# Altium PCB Copy of ArduinoUnoShield.PcbDoc (part 2 of 2)
Units mil, origin at the board's own origin, x right, y up, seen from the top; angles counter-clockwise.
Board outline 4000 x 2250 mil, 2 copper layers (Top Layer, Bottom Layer); 123 components, 114 nets, 416 pads, 90 vias.
Unrouted connection lines stored in the file: 264.
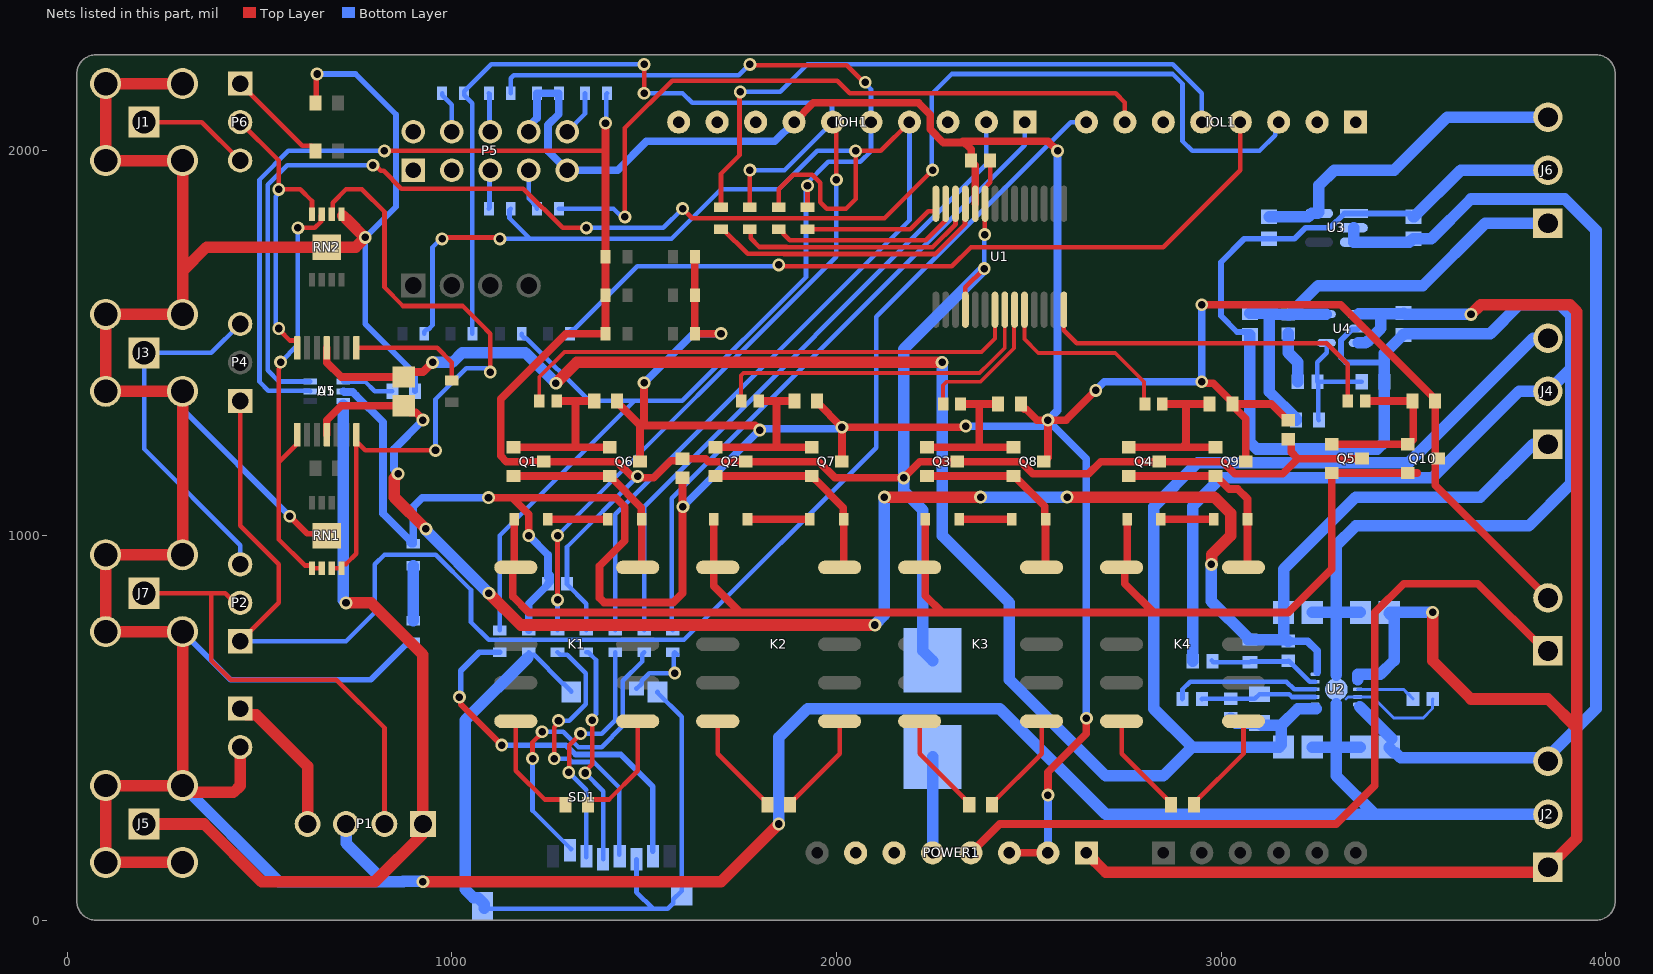
[diagram p2: the nets of this part, all layers, seen from the top]

## Via types
v1: diameter 33.46, hole 19.68, Top Layer to Bottom Layer, 90 vias

## Nets (pads, with @x,y where several pads share a name; then routed paths per layer and width w, separated by ;. In a path a pad name is that pad's centre, name@x,y a point inside that pad or via, vN(x,y) a via of type N, cw(c..) or ccw(c..) an arc to the next point about the centre after c; other vN are vias at no path point) (continued)
AGND: C4.1 C6.1 C7.1 C9.1 C10.1 C11.1 C12.1 C13.1 C15.1 J1.2 J1.3 J1.4 J1.5 J2.2 J3.2 J3.3 J3.4 J3.5 J4.2 J5.2 J5.3 J5.4 J5.5 J6.2 J7.2 J7.3 J7.4 J7.5 P1.3 P7.2 R44.1 R46.2 R50.1 R52.1 R55.1 RN1.9 RN2.5 RN2.9 U2.4 U2.11 U3.1 U4.2 | length 17787.3
  Top Layer w15: v1(578.64,1050) 624.28,1004.36 670.64,1004.36 RN1.9@675,1000 ; R55.1@645.47,2125 647.74,2127.26 647.74,2197.74 v1(650,2200) ; RN2.5@713.39,1826.22 RN2.5@713.39,1835.45
  Top Layer w30: J5.4@300,150 J5.3@100,150 J5.2@100,350 J5.5@300,350 ; J1.5@300,2175 J1.2@100,2175 J1.3@100,1975 J1.4@300,1975 300,1687.5 ; P7.2@450,439.47 450,349.72 432.43,332.15 331.58,332.15 313.72,350 J5.5@300,350 ; RN2.5@716.97,1831.87 730.75,1818.09 730.97,1818.09 774.06,1775 v1(775,1775) 750,1750 RN2.9@675,1750 362.5,1750 300,1687.5 ; v1(925,100) 1700,100 v1(1850,250) ; J5.5@300,350 J7.4@300,750 J7.3@100,750 J7.2@100,950 J7.5@300,950 J3.4@300,1375 J3.3@100,1375 J3.2@100,1575 J3.5@300,1575 300,1687.5
  Bottom Layer w7.87: 3325,575 3330.32,580.32 U2.4@3355.12,580.32 3394.69,580.32 3450,525 3525,525 3550.08,550.08 3550.08,574.49 C10.1@3550.59,575
  Bottom Layer w15: J7.4@300,750 425,625 789.25,625 880.41,716.16 894.7,716.16 R46.2@900,721.46 ; J3.4@300,1375 306.26,1368.74 306.26,1322.37 v1(578.64,1050) ; v1(650,2200) 750,2200 855.14,2094.86 855.14,1855.14 v1(775,1775) 775,1550 904.53,1420.47 R52.1@904.53,1375 ; C15.1@3075,1521.46 3067.01,1529.44 3041.8,1529.44 3000,1571.24 3000,1710.83 3060.63,1771.46 C12.1@3125,1771.46 3190.93,1771.46 3219.47,1800 3283.43,1800 3320.83,1837.4 U3.1@3345.29,1837.4 3491.14,1837.4 C11.1@3500,1828.54 ; U4.2@3356.65,1538.13 3354.71,1536.18 3340.49,1536.18 3312.05,1507.74 3312.05,1462.95 3325,1450 3425,1450
  Bottom Layer w30: J5.5@300,350 550,100 825,100 ; P1.3@725,250 725.48,249.52 725.48,199.52 825,100 ; 874.34,100 825,100 ; 874.34,100.66 924.34,100.66 v1(925,100) ; v1(1850,250) 1850,475 1925,550 2425,550 2700,275 3400,275 ; R44.1@2926.67,672.74 2926.67,1076.67 3000,1150 3550,1150 3775,1375 J4.2@3811.81,1375 ; C15.1@3075,1521.46 3075,1242.57 3092.57,1225 3406.68,1225 3424.25,1242.57 3424.25,1399.25 R50.1@3425,1400 3425,1450 3425,1473.43 3473.03,1521.46 C13.1@3475,1521.46 3478.54,1525 3700,1525 3775,1600 3882.43,1600 3909.29,1573.14 3909.29,1434.29 ; C9.1@3237.4,450 3300,450 ; C6.1@3237.4,800 3300,800 ; 3300,562.6 3300,450 ; 3300,637.4 3300,800 ; C7.1@3362.6,450 3300,450 ; C4.1@3362.6,800 3300,800 ; C11.1@3500,1828.54 3501.97,1828.54 3623.43,1950 J6.2@3850,1950 ; J2.2@3850,275 3400,275 ; J4.2@3850,1375 3909.29,1434.29 ; 3300,450 3300,375 3400,275 ; 3300,800 3300,975 3350,1025 3800,1025 3909.29,1134.29 3909.29,1434.29
AVDD: IOH1.8
D0: IOL1.1
D1: IOL1.2
D2: IOL1.3 U5.6 | length 3843.1
  Top Layer w12: v1(794.86,1962.89) 800.67,1962.89 815.23,1948.34 822.65,1948.34 869.08,1901.91 1186.14,1901.91 1288.05,1800 v1(1350,1800) ; v1(1600,1850) 1625,1825 2125,1825 v1(2250,1950)
  Bottom Layer w12: U5.6@631.69,1400.59 550.59,1400.59 521.36,1429.82 521.36,1911.86 572.39,1962.89 v1(794.86,1962.89) ; v1(1350,1800) 1550,1800 v1(1600,1850) ; v1(2250,1950) 2248.09,1951.91 2248.09,2148.09 2300,2200 2874.68,2200 2899.84,2174.84 2899.84,2025.16 2925,2000 3100,2000 3140.82,2040.82 3140.82,2065.82 IOL1.3@3150,2075
D3: IOL1.4 R20.2 | length 2049.9
  Top Layer w12: v1(1850,1703.64) 1853.64,1700 2300,1700 2350,1750 2850,1750 3050,1950 IOL1.4@3050,2075
  Bottom Layer w12: R20.2@1307.09,1525 1307.09,1529.92 1313.88,1536.72 1318.8,1536.72 1482.09,1700 1846.36,1700 v1(1850,1703.64)
D4: IOL1.5 R10.2 | length 1656.4
  Top Layer w12: R10.2@1700,1853.54 1700,1940.5 1748.09,1988.59 1748.09,2151.73 v1(1750,2153.64)
  Bottom Layer w12: v1(1750,2153.64) 1853.64,2153.64 1925,2225 2875,2225 2950,2150 IOL1.5@2950,2075
D5: IOL1.6
D6: IOL1.7 R19.2 | length 1836.3
  Top Layer w12: v1(1450,1828.64) 1450,2059.5 1572.78,2182.28 2002.22,2182.28 2034.5,2150 2725.91,2150 2750,2125.91 IOL1.7@2750,2075
  Bottom Layer w12: R19.2@1278.54,1850 1420.52,1850 1441.88,1828.64 v1(1450,1828.64)
D7: IOL1.8 P2.1 P4.1 | length 3971.7
  Top Layer w12: P2.1@450,725 550,825 550,925 450,1025 P4.1@450,1350
  Bottom Layer w12: P2.1@450,725 725,725 800,800 800,925 825,950 958.31,950 1050,858.31 1050,775 1096.16,728.84 1603.84,728.84 2103.51,1228.51 2103.51,1569.01 2609.5,2075 IOL1.8@2650,2075
D8: IOH1.1 R7.1 | length 1702.6
  Bottom Layer w12: R7.1@1575,753.54 1572.36,756.18 1572.36,1097.36 2490,2015 IOH1.1@2490,2075
D9: IOH1.2 R1.1 | length 1690.1
  Bottom Layer w12: R1.1@1500,753.54 1500,1075 2390,1965 IOH1.2@2390,2075
D10: IOH1.3
D14: IOH1.9
D15: IOH1.10
DGND: C1.1 C2.1 C3.1 C16.1 IOH1.7 J8.2 P5.8 P5.9 POWER1.2 POWER1.3 Q6.3 Q7.3 Q8.3 Q9.3 Q10.3 R5.1 R12.1 R12.2 R29.1 R30.1 R31.1 R37.1 R38.1 R39.1 R40.1 R41.1 R47.1 U1.10 U5.2 | length 11381.4
  Top Layer w20: v1(1095.46,1098.53) 1157.15,1098.53 ; v1(1200,1000) 1200,1055.68 1157.15,1098.53 ; R37.1@1429.53,1350 1429.53,1346.06 1489.37,1286.22 ; Q6.3@1491.34,1192.24 Q6.3@1489.37,1192.24 1489.37,1286.22 ; v1(1500,1397.36) 1500,1296.85 1489.37,1286.22 ; v1@1600,1075 C2.1@1600,1150.39 ; v1(1601,1075) 1600,1074 1600,850 1575.91,825.91 1396.03,825.91 1384.32,837.62 1384.32,921.03 1438.28,975 1450,986.72 1450,1075 1426.47,1098.53 1157.15,1098.53 ; R31.1@1632.09,1725 R30.1@1632.09,1625 R29.1@1632.09,1525 v1(1700,1525) ; v1(1800.66,1274.12) 1788.56,1286.22 1489.37,1286.22 ; IOH1.7@1890,2075 1940,2125 2213.28,2125 2244.09,2094.19 2244.09,2055.99 2278.3,2021.78 2332.49,2021.78 ; R38.1@1950,1350 1950,1346.06 v1(2014.37,1281.69) ; Q7.3@2014.37,1192.24 v1(2014.37,1281.69) ; v1(2336.27,1284.54) 2333.42,1281.69 v1(2014.37,1281.69) ; U1.10@2361.02,1862.8 2361.02,1962.4 2350.39,1973.03 C1.1@2350.39,1975 2350.39,2003.87 2329.27,2025 2550,2025 v1(2575,2000) ; POWER1.3@2450,175 POWER1.2@2550,175 ; R39.1@2479.53,1342.24 2479.53,1338.31 2489.28,1328.56 2493.21,1328.56 2521.77,1300 v1(2550,1300) ; Q8.3@2539.37,1192.24 2550,1202.87 v1(2550,1300) ; v1(2550,325) 2550,384.47 2650,484.47 v1(2650,525) ; v1(2674.34,1377.55) 2596.79,1300 v1(2550,1300) ; v1(2950,1400) 2954.11,1395.89 2979.82,1395.89 3029.53,1346.18 R40.1@3029.53,1342.24 ; v1(2950,1600) 3310.83,1600 3556.89,1353.94 3556.89,1130.91 J8.2@3853.21,834.58 ; Q9.3@3064.37,1192.24 3064.37,1303.46 3029.53,1338.31 R40.1@3029.53,1342.24 ; C3.1@3175,1299.61 3173.03,1299.61 3130.39,1342.24 R40.1@3029.53,1342.24
  Bottom Layer w20: U5.2@718.31,1375 720.12,1373.19 742.61,1373.19 751.93,1363.87 821.36,1294.44 821.36,1057.18 892.28,986.26 892.28,981.34 895.08,978.54 R47.1@900,978.54 900,1075 923.53,1098.53 v1(1095.46,1098.53) ; R5.1@1200,753.54 1200,822.64 1250.39,873.03 C16.1@1250.39,875 1256.14,880.75 1256.14,896.91 1250,890.76 1250,950 v1(1200,1000) ; P5.8@1200,2050 1200,2063.27 1221.46,2084.72 R12.2@1221.46,2150 R12.1@1278.54,2150 1278.54,2095.84 1250,2067.29 1250,2000 P5.9@1300,1950 1431.25,1950 1506.25,2025 1840,2025 IOH1.7@1890,2075 ; v1(1500,1397.36) 1627.64,1525 v1(1700,1525) ; v1(1601,1075) 1601,1075.24 1799.89,1274.12 v1(1800.66,1274.12) 1804.44,1277.91 2010.59,1277.91 v1(2014.37,1281.69) ; v1(2336.27,1284.54) 2534.54,1284.54 v1(2550,1300) ; POWER1.2@2550,175 v1(2550,325) ; v1(2575,2000) 2575,1325 v1(2550,1300) ; v1(2650,525) 2650,1200 v1(2550,1300) ; v1(2674.34,1377.55) 2696.79,1400 v1(2950,1400) v1(2950,1600)
DUT: J5.1 P1.1 U5.3 | length 2075.9
  Top Layer w30: J5.1@200,250 355.86,250 505.86,100 800,100 925,225 925,690 790,825 v1(725,825)
  Bottom Layer w30: 718.31,1338.31 718.31,831.69 v1(725,825)
DUT_SUBSTRATE: P1.4 P7.1 | length 387.1
  Top Layer w30: P7.1@450,550 466.5,533.5 491.5,533.5 625,400 P1.4@625,250
DUT_VCG: J7.1 P1.2 P2.2 | length 1211.3
  Top Layer w10: P2.2@435.66,825 P2.2@450,825
  Top Layer w12: J7.1@200,850 375,850 ; P2.2@435.66,825 410.66,850 375,850 ; P1.2@825,246.54 825,500 700,625 425,625 375,675 375,850
EXT_ADC: J1.1 P6.3 | length 291.4
  Top Layer w12: J1.1@200,2075 350,2075 P6.3@450,1975
EXT_DAC: J3.1 P2.3 P4.3 | length 934.6
  Bottom Layer w12: P2.3@450,925 450,975 200,1225 J3.1@200,1475 375,1475 P4.3@450,1550
GND: R46.1 R47.2 | length 142.9
  Bottom Layer w30: R46.1@900,778.54 R47.2@900,921.46
GPA_0: R33.1 U1.21 | length 1363.3
  Top Layer w10: R33.1@1227.36,1350 1227.36,1411.93 1293.07,1477.64 2377.64,1477.64 2412.2,1512.2 U1.21@2412.2,1587.2
GPA_1: R34.1 U1.22 | length 880.9
  Top Layer w10: R34.1@1752.36,1350 1752.36,1416.5 1758.22,1422.36 2372.36,1422.36 2400,1450 2437.8,1487.8 U1.22@2437.8,1587.2
GPA_2: R35.1 U1.23 | length 373.8
  Top Layer w10: R35.1@2277.36,1342.24 2277.36,1390.78 2286.58,1400 2375,1400 2461.91,1486.91 2461.91,1585.73 U1.23@2463.39,1587.2
GPA_3: R36.1 U1.24 | length 491.9
  Top Layer w10: U1.24@2488.98,1587.2 2488.98,1511.02 2525,1475 2725,1475 2800,1400 2800,1344.61 R36.1@2802.36,1342.24
GPA_7: R32.1 U1.28 | length 923.8
  Top Layer w12: U1.28@2591.34,1587.2 2591.34,1533.66 2625,1500 3275,1500 3329.72,1445.28 R32.1@3329.72,1350
IOREF: POWER1.7
IOVCC: P5.10 R13.1 | length 119.2
  Bottom Layer w12: P5.10@1300,2050 1346.46,2096.46 R13.1@1346.46,2150
NCLR: P5.1
NCS_IOEXP: R10.1 U1.11 | length 747.1
  Top Layer w12: R10.1@1700,1796.46 1704.92,1796.46 1769.1,1732.28 1863.54,1732.28 1863.72,1732.09 2257.42,1732.09 2334.34,1809.02 2334.34,1861.7 U1.11@2335.43,1862.8
NEG_SIDE: D1.2 D3.2 D5.2 D7.2 K1.1 K2.1 K3.1 K4.1 Q5.2 Q10.2 | length 3706.5
  Top Layer w20: D1.2@1162.2,1042.24 1162.2,921.57 K1.1@1166.54,917.24 1165.41,917.24 1158.28,910.11 1158.28,841.72 1200,800 1750,800 ; D3.2@1681.1,1042.24 1681.1,917.24 1681.1,868.9 1750,800 ; K3.1@2216.54,917.24 K3.1@2223.97,917.24 ; D5.2@2231.1,1042.24 2231.1,924.37 K3.1@2223.97,917.24 ; D7.2@2756.1,1042.24 2756.1,924.37 2748.97,917.24 2742.87,917.24 2750,910.11 2750,875 2825,800 ; 3510.63,1162.6 Q5.2@3287.99,1162.6 3287.99,912.99 3175,800 2825,800 ; 1750,800 2275,800 ; K3.1@2223.97,917.24 2231.1,917.24 2231.1,843.9 2275,800 ; 2275,800 2825,800
NetC5_1: C5.1 R42.2 R44.2 U2.9 | length 295.5
  Bottom Layer w12: R44.2@2975.59,675 2980.12,670.47 R42.2@3075,670.47 3076.97,672.44 3173.03,672.44 C5.1@3175,674.41 3175.98,674.41 3230.71,619.68 U2.9@3244.88,619.68
NetC8_1: C8.1 R43.1 R45.2 U2.7 | length 302.4
  Bottom Layer w12: R45.2@2950.59,575 2951.18,575.59 C8.1@3025,575.59 3088.19,575.59 R43.1@3100,587.4 3177.41,587.4 3184.5,580.32 U2.7@3244.88,580.32
NetC10_2: C10.2 U2.3 | length 155.2
  Bottom Layer w7.87: U2.3@3355.12,600 3474.41,600 3485.63,588.78 3486.61,588.78 3499.41,575.98 C10.2@3499.41,575
NetC14_1: C14.1 R49.2 | length 135.5
  Bottom Layer w30: C14.1@3175,1525.39 3175,1475 3199.41,1450.59 R49.2@3199.41,1400
NetD1_1: D1.1 D2.1 | length 156.1
  Top Layer w20: D1.1@1250,1042.24 D2.1@1406.1,1042.24
NetD3_1: D3.1 D4.1 | length 162.2
  Top Layer w20: D3.1@1768.9,1042.24 D4.1@1931.1,1042.24
NetD5_1: D5.1 D6.1 | length 137.2
  Top Layer w20: D5.1@2318.9,1042.24 D6.1@2456.1,1042.24
NetD7_1: D7.1 D8.1 | length 137.2
  Top Layer w20: D7.1@2843.9,1042.24 D8.1@2981.1,1042.24
NetF1_2: F1.2 POWER1.5 | length 250
  Bottom Layer w30: POWER1.5@2250,175 F1.2@2250,425
NetK1_5: K1.5 R22.1 | length 296.7
  Top Layer w12: K1.5@1166.54,517.24 1166.54,388.46 1241.31,313.69 1285.72,313.69 1295.47,303.94 R22.1@1295.47,300
NetK1_8: K1.8 R22.2 | length 296.7
  Top Layer w12: R22.2@1354.53,300 1354.53,303.94 1364.28,313.69 1408.69,313.69 1483.46,388.46 K1.8@1483.46,517.24
NetK2_5: K2.5 R23.1 | length 270.7
  Top Layer w12: K2.5@1691.54,517.24 1691.54,432.87 1820.47,303.94 R23.1@1820.47,300
NetK2_8: K2.8 R23.2 | length 270.7
  Top Layer w12: R23.2@1879.53,300 1879.53,303.94 2008.46,432.87 K2.8@2008.46,517.24
NetK3_5: K3.5 R24.1 | length 270.7
  Top Layer w12: K3.5@2216.54,517.24 2216.54,432.87 2345.47,303.94 R24.1@2345.47,300
NetK3_8: K3.8 R24.2 | length 270.7
  Top Layer w12: R24.2@2404.53,300 2404.53,303.94 2533.46,432.87 K3.8@2533.46,517.24
NetK4_5: K4.5 R25.1 | length 270.7
  Top Layer w12: K4.5@2741.54,517.24 2741.54,432.87 2870.47,303.94 R25.1@2870.47,300
NetK4_8: K4.8 R25.2 | length 270.7
  Top Layer w12: R25.2@2929.53,300 2929.53,303.94 3058.46,432.87 K4.8@3058.46,517.24
NetP6_1: P6.1 R54.2 | length 270.3
  Top Layer w12: P6.1@450,2175 611.32,2013.69 635.72,2013.69 645.47,2003.94 R54.2@645.47,2000
NetQ1_1: Q1.1 Q6.1 R33.2 R37.2 | length 469.6
  Top Layer w20: Q1.1@1160.63,1229.65 1325,1229.65 ; R33.2@1272.64,1350 1321.56,1350 ; R37.2@1370.47,1350 1321.56,1350 ; Q6.1@1410.63,1229.65 1325,1229.65 ; 1321.56,1350 1321.56,1233.09 1325,1229.65
NetQ2_1: Q2.1 Q7.1 R34.2 R38.2 | length 466
  Top Layer w20: Q2.1@1685.63,1229.65 1850,1229.65 ; R34.2@1797.64,1350 1844.29,1350 ; R38.2@1890.94,1350 1844.29,1350 ; Q7.1@1935.63,1229.65 1850,1229.65 ; 1844.29,1350 1844.29,1235.35 1850,1229.65
NetQ3_1: Q3.1 Q8.1 R35.2 R39.2 | length 436.9
  Top Layer w20: Q3.1@2235.63,1229.65 2375,1229.65 ; R35.2@2322.64,1342.24 2371.56,1342.24 ; R39.2@2420.47,1342.24 2371.56,1342.24 ; Q8.1@2460.63,1229.65 2375,1229.65 ; 2371.56,1342.24 2371.56,1233.09 2375,1229.65
NetQ4_1: Q4.1 Q9.1 R36.2 R40.2 | length 464.2
  Top Layer w20: Q4.1@2760.63,1229.65 2900,1229.65 ; R36.2@2847.64,1342.24 2909.06,1342.24 ; R40.2@2970.47,1342.24 2909.06,1342.24 ; Q9.1@2985.63,1229.65 2900,1229.65 ; 2900,1229.65 2909.06,1238.7 2909.06,1342.24
NetQ5_1: Q5.1 Q10.1 R32.2 R41.2 | length 441.1
  Top Layer w20: Q5.1@3287.99,1237.4 3487.6,1237.4 3500,1249.8 3500,1347.83 R41.2@3497.83,1350 R32.2@3375,1350
NetR45_1: R45.1 U2.8 | length 386.7
  Bottom Layer w12: R45.1@2899.41,575 2900,575.59 2900,600 2919.98,619.98 3170.16,619.98 3190.13,600 U2.8@3244.88,600
NetR48_1: R48.1 R49.1 R50.2 U4.4 | length 328.3
  Bottom Layer w12: R48.1@3254.53,1300 3252.56,1301.97 3252.56,1398.03 R49.1@3250.59,1400 ; U4.4@3273.95,1500.72 3273.95,1497.64 3275,1496.59 3275,1475 3250.59,1450.59 R49.1@3250.59,1400 ; R50.2@3365.94,1400 R49.1@3250.59,1400
NetR52_2: R52.2 U5.1 | length 137.8
  Bottom Layer w12: U5.1@718.31,1400.59 774.41,1400.59 800,1375 R52.2@845.47,1375
NLDAC: P5.2
NRESET: P5.3
NRST: POWER1.6
NSYNC: P5.7 R19.1 | length 108.9
  Bottom Layer w12: P5.7@1200,1950 1200,1876.38 1221.46,1854.92 R19.1@1221.46,1850
OUTA: A1.1 RN1.1 RN1.2 RN2.7 | length 1155.5
  Top Layer w12: v1(555.08,1450.98) 550.98,1446.87 550.98,1434.19 550,1433.22 550,1190.95 ; A1.1@598.23,1262.01 598.23,1239.17 550,1190.95 ; v1(600,1800) 643.77,1800 659.94,1816.17 659.94,1833.19 RN2.7@662.2,1835.45 ; RN1.2@662.2,914.55 RN1.1@636.61,914.55 636.61,919.97 634.35,922.23 617.38,922.23 550,989.61 550,1190.95
  Bottom Layer w12: v1(555.08,1450.98) 600,1495.9 v1(600,1800)
OUTB: A1.7 RN1.3 RN1.4 RN2.6 | length 1748.6
  Top Layer w12: RN1.3@687.8,914.55 RN1.4@713.39,914.55 713.39,923.78 715.65,926.05 724.89,926.05 751.77,952.93 A1.7@751.77,1245.04 ; RN2.6@687.8,1835.45 690.06,1837.72 690.06,1865.06 725,1900 766.48,1900 825,1841.48 825,1645.17 873.27,1596.91 1028.09,1596.91 1075,1550 1100,1525 v1(1100,1425) ; A1.7@751.77,1262.01 A1.7@751.77,1245.04 ; v1(957.64,1221.36) 775.45,1221.36 A1.7@751.77,1245.04
  Bottom Layer w12: v1(957.64,1221.36) 957.64,1354.69 1038.14,1435.19 1089.81,1435.19 v1(1100,1425)
OUTC: A1.8 R53.1 | length 310.4
  Top Layer w12: A1.8@751.77,1487.99 962.01,1487.99 1000,1450 R53.1@1000,1403.54
OUTD: A1.14 P6.2 RN2.8 | length 797.8
  Top Layer w12: P6.2@450,2075 550,1975 v1(550,1900) 606.32,1900 636.61,1869.71 RN2.8@636.61,1835.45 ; v1(550,1538.29) 554.11,1534.18 554.11,1532.11 579.19,1507.03 596.16,1507.03 598.23,1504.96 A1.14@598.23,1487.99
  Bottom Layer w12: v1(550,1538.29) 550,1544.1 542.72,1551.38 542.72,1882.24 545.89,1885.41 545.89,1895.89 v1(550,1900)
PWR_5V_A: A1.4 C5.2 C6.2 C17.2 J4.1 R42.1 U2.10 | length 4803.7
  Top Layer w20: A1.4@675,1262.01 675,1300 712.6,1337.6 C17.2@875,1337.6 892.56,1320.04 906.55,1320.04 925,1301.59 v1(925,1300)
  Top Layer w30: v1(860.58,1160.58) 860.58,1159.25 850.66,1149.34 850.66,1099.34 v1(932.75,1017.25) ; v1(1096.36,850) 1179,767.36 v1(2100,767.36) ; v1(2125,1100) v1(2375,1100) ; v1(2600,1100) 2982.43,1100 3025,1057.43 3025,1000 2975.66,950.66 2975.66,925.66 v1(2975,925)
  Bottom Layer w20: v1(860.58,1160.58) 850,1171.16 850,1225 v1(925,1300) ; C5.2@3175,725.59 3175.59,725 3225,725 3250,700 3250,645
  Bottom Layer w30: v1(932.75,1017.25) 933.41,1016.59 933.41,1012.95 v1(1096.36,850) ; v1(2100,767.36) 2100,768.3 2125,793.3 v1(2125,1100) ; v1(2375,1100) v1(2600,1100) ; v1(2975,925) 2975,829.53 3070.31,734.21 3070.31,730.28 3071.06,729.53 R42.1@3075,729.53 3170.08,729.53 3174.02,725.59 C5.2@3175,725.59 ; C5.2@3162.6,737.01 C6.2@3162.6,800 3162.6,912.6 3350,1100 3674.61,1100 3788.43,1213.82 ; 3788.43,1213.82 J4.1@3811.81,1237.2
PWR_5V_D: J8.1 POWER1.4 | length 2124
  Top Layer w20: POWER1.4@2350,175 2425,250 3300,250 3400,350 3400,800 3475,875 3667.91,875 J8.1@3846.46,696.46
PWR_7V: C14.2 C15.2 J6.1 R48.2 U4.5 | length 1278.8
  Bottom Layer w30: C15.2@3075,1578.54 3125,1578.54 ; R48.2@3195.47,1300 3195.47,1303.94 3125,1374.41 3125,1578.54 ; U4.5@3273.95,1575.53 C14.2@3177.89,1575.53 ; J6.1@3850,1812.2 3687.2,1812.2 3525,1650 3252.36,1650 C14.2@3177.89,1575.53 ; 3125,1578.54 3140.67,1578.54 3143.86,1575.35 3174.25,1575.35 C14.2@3175,1574.61 3176.97,1574.61 C14.2@3177.89,1575.53
PWR_-2.5V: C12.2 J6.3 U3.5 | length 873.5
  Bottom Layer w30: C12.2@3125,1828.54 3227.3,1828.54 3236.16,1837.4 3251.76,1837.4 3254.71,1840.35 3254.71,1910.57 3294.14,1950 3450,1950 3587.8,2087.8 J6.3@3850,2087.8
PWR_-5V_A: A1.11 C8.2 C9.2 C17.1 J4.3 R43.2 U2.6 | length 5609.3
  Top Layer w20: A1.11@675,1487.99 675,1450 712.6,1412.4 C17.1@875,1412.4 887.88,1425.28 925.28,1425.28 v1(950,1450)
  Top Layer w30: v1(1270.79,1395.79) 1325,1450 v1(2275,1450)
  Bottom Layer w30: v1(950,1450) 1001.82,1450 1026.82,1475 1191.59,1475 v1(1270.79,1395.79) ; v1(2275,1450) 2275,1000 2450,825 2450,625 2700,375 2850,375 2925,450 ; C8.2@3025,524.41 3025.98,524.41 3037.8,512.6 R43.2@3100,512.6 3105.64,506.95 3157.03,506.95 ; 3247.07,550 3200.08,550 3157.03,506.95 ; J4.3@3811.81,1512.8 3488.11,1189.09 2939.09,1189.09 2825,1075 2825,550 2925,450 ; 2925,450 3151.47,450 3157.03,455.57 3157.03,506.95
PWR_-VBAT: C7.2 C11.2 J2.3 U2.5 U3.2 U3.3 | length 2719.7
  Bottom Layer w30: U3.2@3345.29,1800 U3.3@3345.29,1762.6 3489.17,1762.6 3494.33,1767.76 3496.3,1767.76 C11.2@3500,1771.46 3546.46,1771.46 3650,1875 3893.54,1875 3975,1793.54 3975,550 3850,425 J2.3@3850,412.8 ; 3361.06,554.69 C7.2@3444.17,471.58 ; C7.2@3437.4,450 3437.4,448.03 3449.96,435.47 3453.81,435.47 3467.53,421.74 J2.3@3846.74,421.74
PWR_VBAT: C4.2 C13.2 J2.1 POWER1.1 U2.1 U2.2 U4.1 U4.3 | length 4342.3
  Top Layer w30: POWER1.1@2650,175 2700.91,124.09 3836.89,124.09 3925,212.2 3925,500 ; v1(3550,800) 3550,675 3650,575 3850,575 3925,500 ; v1(3650,1575) 3675,1600 3907.43,1600 3925,1582.43 3925,500
  Bottom Layer w30: 3355.12,625.63 U2.1@3355.12,639.37 3414.37,639.37 3450,675 3450,767.9 3449.96,767.94 3449.96,785.47 3437.4,798.03 3439.37,800 v1(3550,800) ; U4.3@3356.65,1500.72 3375.72,1500.72 3380.25,1505.25 3382.37,1505.25 3415.83,1538.7 3415.83,1577.03 ; U4.1@3356.65,1575.53 3358.16,1577.03 3415.83,1577.03 ; v1(3650,1575) 3478.54,1575 C13.2@3475,1578.54 3473.49,1577.03 3415.83,1577.03
SCK_IOEXP: R11.1 U1.12 | length 644.4
  Top Layer w12: R11.1@1775,1796.46 1775,1791.97 1777.31,1789.66 1777.31,1772.69 1799.82,1750.18 1870.95,1750.18 1871.13,1750 2250,1750 2309.84,1809.84 U1.12@2309.84,1862.8
SCLK: P5.4 R21.1 | length 110.4
  Bottom Layer w12: R21.1@975,2150 975,2145.08 1000,2120.08 P5.4@1000,2050
SD_CD: R7.2 SD1.9 | length 198.5
  Top Layer w12: v1@1569.51,646.87 1574.02,642.36 v1(1579.83,642.36)
  Bottom Layer w12: SD1.9@1480.16,602.32 1481.14,602.32 1493.84,615.02 1493.84,622.41 1513.79,642.36 v1(1579.83,642.36) 1577.41,644.78 1577.41,693.95 1579.92,696.46 R7.2@1586.72,689.66
SD_CS: R1.2 SD1.2 | length 820.4
  Top Layer w12: v1(1210,420) 1210,462.54 1235,487.54 v1(1235,490)
  Bottom Layer w12: v1(1210,420) 1210,285 SD1.2@1310,185 ; v1(1235,490) 1289.5,490 1329.5,450 1390,450 1445,505 1445,622.39 1495.08,672.47 1495.08,691.54 R1.2@1500,696.46
SD_DI: R2.2 SD1.3 | length 634.2
  Top Layer w12: v1(1304.16,384.09) 1304.16,384.3 1305,385.15 1305,455 v1(1335,485)
  Bottom Layer w12: v1(1304.16,384.09) 1304.59,384.09 1350,338.68 SD1.3@1350,163.73 ; v1(1335,485) 1390,485 1425,520 R2.2@1425,696.46
SD_DO: R6.2 SD1.7 | length 966.7
  Top Layer w15: v1(1020,580) 1023.53,576.47 1023.53,561.47 v1(1130,455)
  Bottom Layer w15: v1(1020,580) 1023.53,583.53 1023.53,648.53 1071.46,696.46 R6.2@1125,696.46 ; v1(1130,455) 1297.06,455 1321.46,430.59 1439.41,430.59 1522.65,347.35 SD1.7@1522.65,179.77
SD_SCLK: R4.2 SD1.5 | length 742.5
  Top Layer w12: v1(1266.36,420) 1266.36,501.69 1277.5,512.83 v1(1277.5,518.64)
  Bottom Layer w12: v1(1266.36,420) 1304.61,420 1313.42,411.19 1368.81,411.19 1435,345 SD1.5@1435,170 ; R4.2@1275,696.46 1281.71,689.74 1300.26,689.74 1347.97,642.03 1347.97,560.97 1305.63,518.64 v1(1277.5,518.64)
SD_VDD: R3.2 SD1.4 | length 582.8
  Top Layer w12: v1(1346.63,382.55) 1346.63,386.63 1365,405 v1(1365,520)
  Bottom Layer w12: v1(1346.63,382.55) 1393.54,335.64 SD1.4@1393.54,158.03 ; R3.2@1350,696.46 1354.92,696.46 1375,676.38 1375,535.81 1365,525.81 v1(1365,520)
SD_VSS: R5.2 SD1.6 SD1.10 SD1.11 SD1.12 SD1.13 | length 2135.1
  Bottom Layer w12: SD1.12@1080.16,36.38 1085,31.54 1086.54,30 1122.02,30 1122.43,29.59 1523.46,29.59 ; R5.2@1200,696.46 1206.8,689.66 1214.28,689.66 1288.91,615.02 1290.88,615.02 1310.47,595.43 SD1.11@1310.47,593.46 ; SD1.6@1480.16,158.03 1480.16,72.89 1523.46,29.59 ; SD1.10@1534.88,593.46 1534.88,591.5 1597.87,528.5 SD1.13@1597.87,75.75 1576.31,54.19 1576.31,44.35 1561.56,29.59 1523.46,29.59
  Bottom Layer w30: SD1.12@1085,31.54 1085,41.38 1067.6,58.78 1056.22,58.78 1035.2,79.8 1035.2,520.2 1197.28,682.28
SDI_IOEXP: R8.1 U1.13 | length 513.6
  Top Layer w12: R8.1@1850,1796.46 1854.92,1796.46 1861.72,1789.66 1861.72,1784.74 1878.55,1767.91 2232.64,1767.91 2283.16,1818.43 2283.16,1861.7 U1.13@2284.25,1862.8
SDIN: P5.5 R15.1 | length 101.5
  Bottom Layer w12: R15.1@1096.46,1850 1098.23,1851.77 1098.23,1948.23 P5.5@1100,1950
SDO: P5.6 R17.1 | length 101.5
  Bottom Layer w12: R17.1@1096.46,2150 1098.23,2148.23 1098.23,2051.77 P5.6@1100,2050
SDO_IOEXP: R9.1 U1.14 | length 371.2
  Top Layer w12: R9.1@1925,1796.46 2192.32,1796.46 2238.83,1842.97 2256.02,1842.97 2258.66,1845.61 U1.14@2258.66,1862.8
SEL_RES_1: D2.2 K1.12 Q1.2 Q6.2 | length 529.5
  Top Layer w20: Q1.2@1160.63,1154.84 1412.6,1154.84 1418.35,1149.09 1418.35,1147.13 1492.98,1072.49 1492.98,1043.16 D2.2@1493.9,1042.24 1493.9,924.37 1486.77,917.24 K1.12@1483.46,917.24
SEL_RES_2: D4.2 K2.12 Q2.2 Q7.2 | length 529.5
  Top Layer w20: Q2.2@1685.63,1154.84 1937.6,1154.84 1943.35,1149.09 1943.35,1147.13 2017.98,1072.49 2017.98,1043.16 D4.2@2018.9,1042.24 2018.9,924.37 2011.77,917.24 K2.12@2008.46,917.24
SEL_RES_3: D6.2 K3.12 Q3.2 Q8.2 | length 504.5
  Top Layer w20: Q3.2@2235.63,1154.84 Q8.2@2460.63,1154.84 2462.6,1154.84 2541.5,1075.95 2541.5,1044.65 D6.2@2543.9,1042.24 2543.9,924.37 2536.77,917.24 K3.12@2533.46,917.24
SEL_RES_4: D8.2 K4.12 Q4.2 Q9.2 | length 517.1
  Top Layer w20: Q4.2@2760.63,1154.84 Q9.2@2985.63,1154.84 2991.38,1149.09 2993.35,1149.09 3021.63,1120.81 3043.21,1120.81 3068.9,1095.12 D8.2@3068.9,1042.24 3068.9,924.37 3061.77,917.24 K4.12@3058.46,917.24
SPI1_MISO: IOH1.5 R6.1 R9.2 R17.2 R18.2 | length 3369.1
  Top Layer w12: v1(1775,2225) 1776.82,2223.18 2026.82,2223.18 2071.36,2178.64 v1(2075,2178.64) ; v1(1924.89,1909.39) 1924.95,1909.34 1924.95,1853.6 R9.2@1925,1853.54
  Bottom Layer w12: R6.1@1125,753.54 1125,1000 1475,1350 ; R17.2@1153.54,2150 1153.54,2189 1160.91,2196.36 1746.36,2196.36 v1(1775,2225) ; R18.2@1182.09,1525 1182.09,1520.08 1188.88,1513.28 1193.8,1513.28 1357.09,1350 1475,1350 ; v1@1920.89,1913.39 1978.86,1971.36 2061.86,1971.36 2090,1999.5 IOH1.5@2090,2075 2090,2160 2075,2175 v1(2075,2178.64) ; v1(1924.89,1909.39) 1920.89,1905.39 1920.89,1671.22 1599.68,1350 1475,1350
SPI1_MOSI: IOH1.4 R2.1 R8.2 R14.2 R15.2 | length 3819
  Top Layer w12: v1(975,1771.36) 975,1775 1125,1775 v1(1125,1771.36) ; R8.2@1850,1853.54 1850,1900 1888.03,1938.03 1936.97,1938.03 1958.14,1916.86 1958.14,1866.86 1975,1850 2025,1850 2050,1875 v1(2050,2000) 2115,2000 IOH1.4@2190,2075
  Bottom Layer w12: R14.2@928.54,1525 928.54,1529.92 935.34,1536.72 940.26,1536.72 950,1546.46 950,1750 973.18,1773.18 v1(975,1771.36) ; v1(1125,1771.36) 1200,1771.36 1571.36,1771.36 1700,1900 1850,1900 1950,2000 v1(2050,2000) ; R15.2@1153.54,1850 1150,1846.46 1150,1825 1200,1775 ; R2.1@1425,753.54 1425,1055 2190,1820 IOH1.4@2190,2075
SPI1_SCLK: IOH1.6 R4.1 R11.2 R16.2 R21.2 | length 3744.2
  Top Layer w12: v1(1275,832.64) v1(1275,1000) ; v1(1500,2150) 1500,2171.36 v1(1500,2225) ; R11.2@1775,1853.54 v1(1775,1950) ; IOH1.6@1990,2075 1999.18,2065.82 1999.18,2044.79 2000,2043.97 v1(2000,1925)
  Bottom Layer w12: R16.2@1053.54,1525 1053.54,2123.62 1032.09,2145.08 R21.2@1032.09,2150 1032.09,2154.92 1102.17,2225 v1(1500,2225) ; R4.1@1275,753.54 v1(1275,832.64) ; v1(1275,1000) 2000,1725 v1(2000,1925) ; v1(1500,2150) 1600,2150 1625,2125 1979.64,2125 1988.67,2115.97 1988.67,2076.33 IOH1.6@1990,2075 1865,1950 v1(1775,1950)
VDD_3V3: C1.2 C2.2 C3.2 C16.2 F1.1 Q1.3 Q2.3 Q3.3 Q4.3 Q5.3 R3.1 R13.2 R26.2 R27.2 R28.2 U1.9 U1.18 U5.5 | length 7193.1
  Top Layer w12: v1(825,2000) 1399.85,2000 ; v1(1399.69,2072.2) v1@1399.85,2072.05 ; U1.18@2335.43,1587.2 2335.43,1645.26 v1(2384.29,1694.12) ; v1(2385.91,1782.6) 2385.91,1864.09 U1.9@2386.61,1864.79 ; U1.9@2386.61,1862.8 2386.61,1904.95 2400,1918.34 C1.2@2400,1965.17
  Top Layer w20: v1@1399.85,2072.05 1399.85,2000 1399.85,1725 1399.85,1625 1399.85,1525.15 R26.2@1400,1525 1296.93,1525 1127.01,1355.07 1127.01,1207.31 1142.07,1192.24 Q1.3@1239.37,1192.24 1429.19,1192.24 1467.57,1153.86 v1(1483.36,1153.86) ; v1@1483.36,1150.54 1499.46,1150.54 1500,1150 1500.54,1150.54 1525.54,1150.54 1569.36,1194.36 1594.75,1194.36 C2.2@1600,1199.61 1659.71,1199.61 1667.07,1192.24 Q2.3@1764.37,1192.24 1954.19,1192.24 1996.43,1150 v1(2175,1150) 2175,1150.17 2217.07,1192.24 Q3.3@2314.37,1192.24 2479.19,1192.24 2510.84,1160.59 2655.42,1160.59 2687.07,1192.24 Q4.3@2839.37,1192.24 3004.19,1192.24 3035.84,1160.59 3160.59,1160.59 3200,1200 ; C3.2@3176.97,1250.39 3182.72,1244.65 3182.72,1217.28 3200,1200 ; Q5.3@3366.73,1200 3200,1200
  Bottom Layer w12: U5.5@631.69,1375 629.82,1376.87 523.13,1376.87 500,1400 500,1925 575,2000 v1(825,2000) ; R3.1@1350,753.54 1350,822.64 1299.61,873.03 C16.2@1299.61,875 1299.61,970.11 v1(1483.36,1153.86) ; v1(1399.69,2072.2) 1401.62,2074.13 1401.62,2148.08 R13.2@1403.54,2150 ; v1(2384.29,1694.12) 2384.29,1780.98 v1(2385.91,1782.6)
  Bottom Layer w30: F1.1@2250,675 2225,700 2225,1066.01 2175,1116.01 v1(2175,1150) 2175,1484.83 v1(2384.29,1694.12)
pads on no net: K1.3 K1.10 K2.3 K2.10 K3.3 K3.10 K4.3 K4.10 POWER1.8 SD1.1 SD1.8 U1.1 U1.2 U1.3 U1.4 U1.5 U1.6 U1.7 U1.8 U1.19 U1.20 U1.25 U1.26 U1.27 U3.4
copper on no net: | length 32.8
  Bottom Layer w12: 1581.97,44.65 1581.97,77.43

## Polygon pours and split planes (outlines as drawn)
GND on Top Layer "NONET_L01_P000" (solid, shelved, pour order 0): 20,-10 4030,-10 4030,2255 20,2255
GND on Bottom Layer "GND" (solid, shelved, pour order 2): 20,-5 4030,-5 4030,2260 25,2260 20,2265

## Silkscreen, mask and mechanical layers (free items; w line width, h text height)
Top Overlay:
  lines w10: 1180,260 3400,260 3400,335 1180,335 1180,320 1180,260
  text "EXT_DAC_SPI" at 850,2175 h60
  text "ADC_PWR" at 3700,2175 h60
  text "D15" at 1575,2150.22 h40
  text "D14" at 1675,2150 h40
  text "AVDD" at 1825,2150 h40 r90
  text "DGND" at 1900,2150 h40 r90
  text "D13" at 1975,2150.22 h40
  text "D12" at 2075,2150 h40
  text "D11" at 2175,2150 h40
  text "D10" at 2275,2150.22 h40
  text "D9" at 2375,2150 h40
  text "D8" at 2475,2150.22 h40
  text "D7" at 2625,2150 h40
  text "D6" at 2725,2150.22 h40
  text "D5" at 2825,2150.22 h40
  text "D4" at 2925,2150 h40
  text "D3" at 3025,2150.22 h40
  text "D2" at 3125,2150 h40
  text "D1" at 3225,2150 h40
  text "D0" at 3325,2150.22 h40
  text "B" at 555,2125 h60 r90
  text "SCK" at 950.04,2125.22 h40
  text "MISO" at 1075,2125.22 h40
  text "DGND" at 1200,2125.22 h40
  text "IOVCC" at 1300,2125.22 h40
  text "-2.5V" at 3649.67,2050 h60 r90
  text "A" at 555,2000.06 h60 r90
  text "AGND" at 3649.67,1875.06 h60 r90
  text "EXT_ADC" at 75,1850 h60
  text "MOSI" at 1075,1850.22 h40
  text "CS" at 1225.04,1850.22 h40
  text "DGND" at 1300,1850.22 h40
  text "Portable Parameter Analyzer - for use with an STM32L475 Discovery Board" at 2850,1785 h60
  text "7V" at 3650,1750 h60 r90
  text "Student: Lovro Ivančević" at 2885.06,1735.39 h60
  text "MOSI" at 850,1725.22 h40
  text "SCK" at 975.04,1725.22 h40
  text "MISO" at 1075,1725.22 h40
  text "CS" at 1200.04,1725.22 h40
  text "Course: ET4399" at 2885.06,1685.33 h60
  text "ANALOG_PWR" at 3675.06,1604.72 h60
  text "EXT_ADC_SPI" at 850,1525 h60
  text "B" at 555,1500 h60 r90
  text "-5V_A" at 3645.28,1475 h60 r90
  text "t" at 2850,1442 h250
  text "A" at 555,1375.06 h60 r90
  text "AGND" at 3649.67,1325.06 h60 r90
  text "EXT_DAC" at 75,1250 h60
  text "5V_A" at 3645.28,1175.06 h60 r90
  text "GAIN" at 735.04,1160.22 h40
  text "DAC_D_PWR" at 3700,925 h60
  text "B" at 555,875 h60 r90
  text "DGND" at 3649.67,850 h60 r90
  text "A" at 555,750.06 h60 r90
  text "5V_D" at 3645.28,650.06 h60 r90
  text "DUT_VCG" at 75,625 h60
  text "BATT_PWR" at 3695,504.7 h60
  text "SHORT SUB SOURCE" at 350,407.9 h60 r90
  text "SUB" at 599.67,400.06 h60 r90
  text "SOURCE" at 699.67,400.06 h60 r90
  text "GATE" at 799.67,400.06 h60 r90
  text "DRAIN" at 900,400 h60 r90
  text "-VBAT" at 3650,375 h60 r90
  text "CURRENT SENSE RESISTORS" at 3055,345 h40
  text "GND" at 3649.67,225.06 h60 r90
  text "5v" at 2350,75 h40 r90
  text "A0" at 2859.78,70.04 h40 r90
  text "A1" at 2960,70.04 h40 r90
  text "A2" at 3065,70.04 h40 r90
  text "A3" at 3164.78,70.04 h40 r90
  text "A4" at 3265,70.04 h40 r90
  text "A5" at 3364.78,70.04 h40 r90
  text "MOS_DUT_CONN" at 575,50 h60
  text "3v3" at 2250,50 h40 r90
  text "DUT" at 75,25 h60
  text "IOREF" at 2050,25 h39 r90
  text "NRST" at 2150,25 h40 r90
  text "DGND" at 2450,25 h40 r90
  text "DGND" at 2550,25 h40 r90
  text "VIN/VBAT" at 2600,25 h40
  text "+VBAT" at 3650,25.06 h60 r90
Bottom Overlay:
  lines w10: 2750,380 2750,965 3605,965 3605,380 2750,380 ; 2755,1235 3610,1235 3610,1940 2755,1940 2755,1235
  text "+/- VBAT -> +7V/-2.5V" at 3605,1975 h60
  text "+/- VBAT -> +/- 5V" at 3605,1000 h60
  text "microSD CARD" at 1030,585 h60 r90
Mechanical 1:
  the board outline again, w10